# Altium PCB CABLE_JIG_TEST_PCB.PcbDoc (part 1 of 4) (continued)
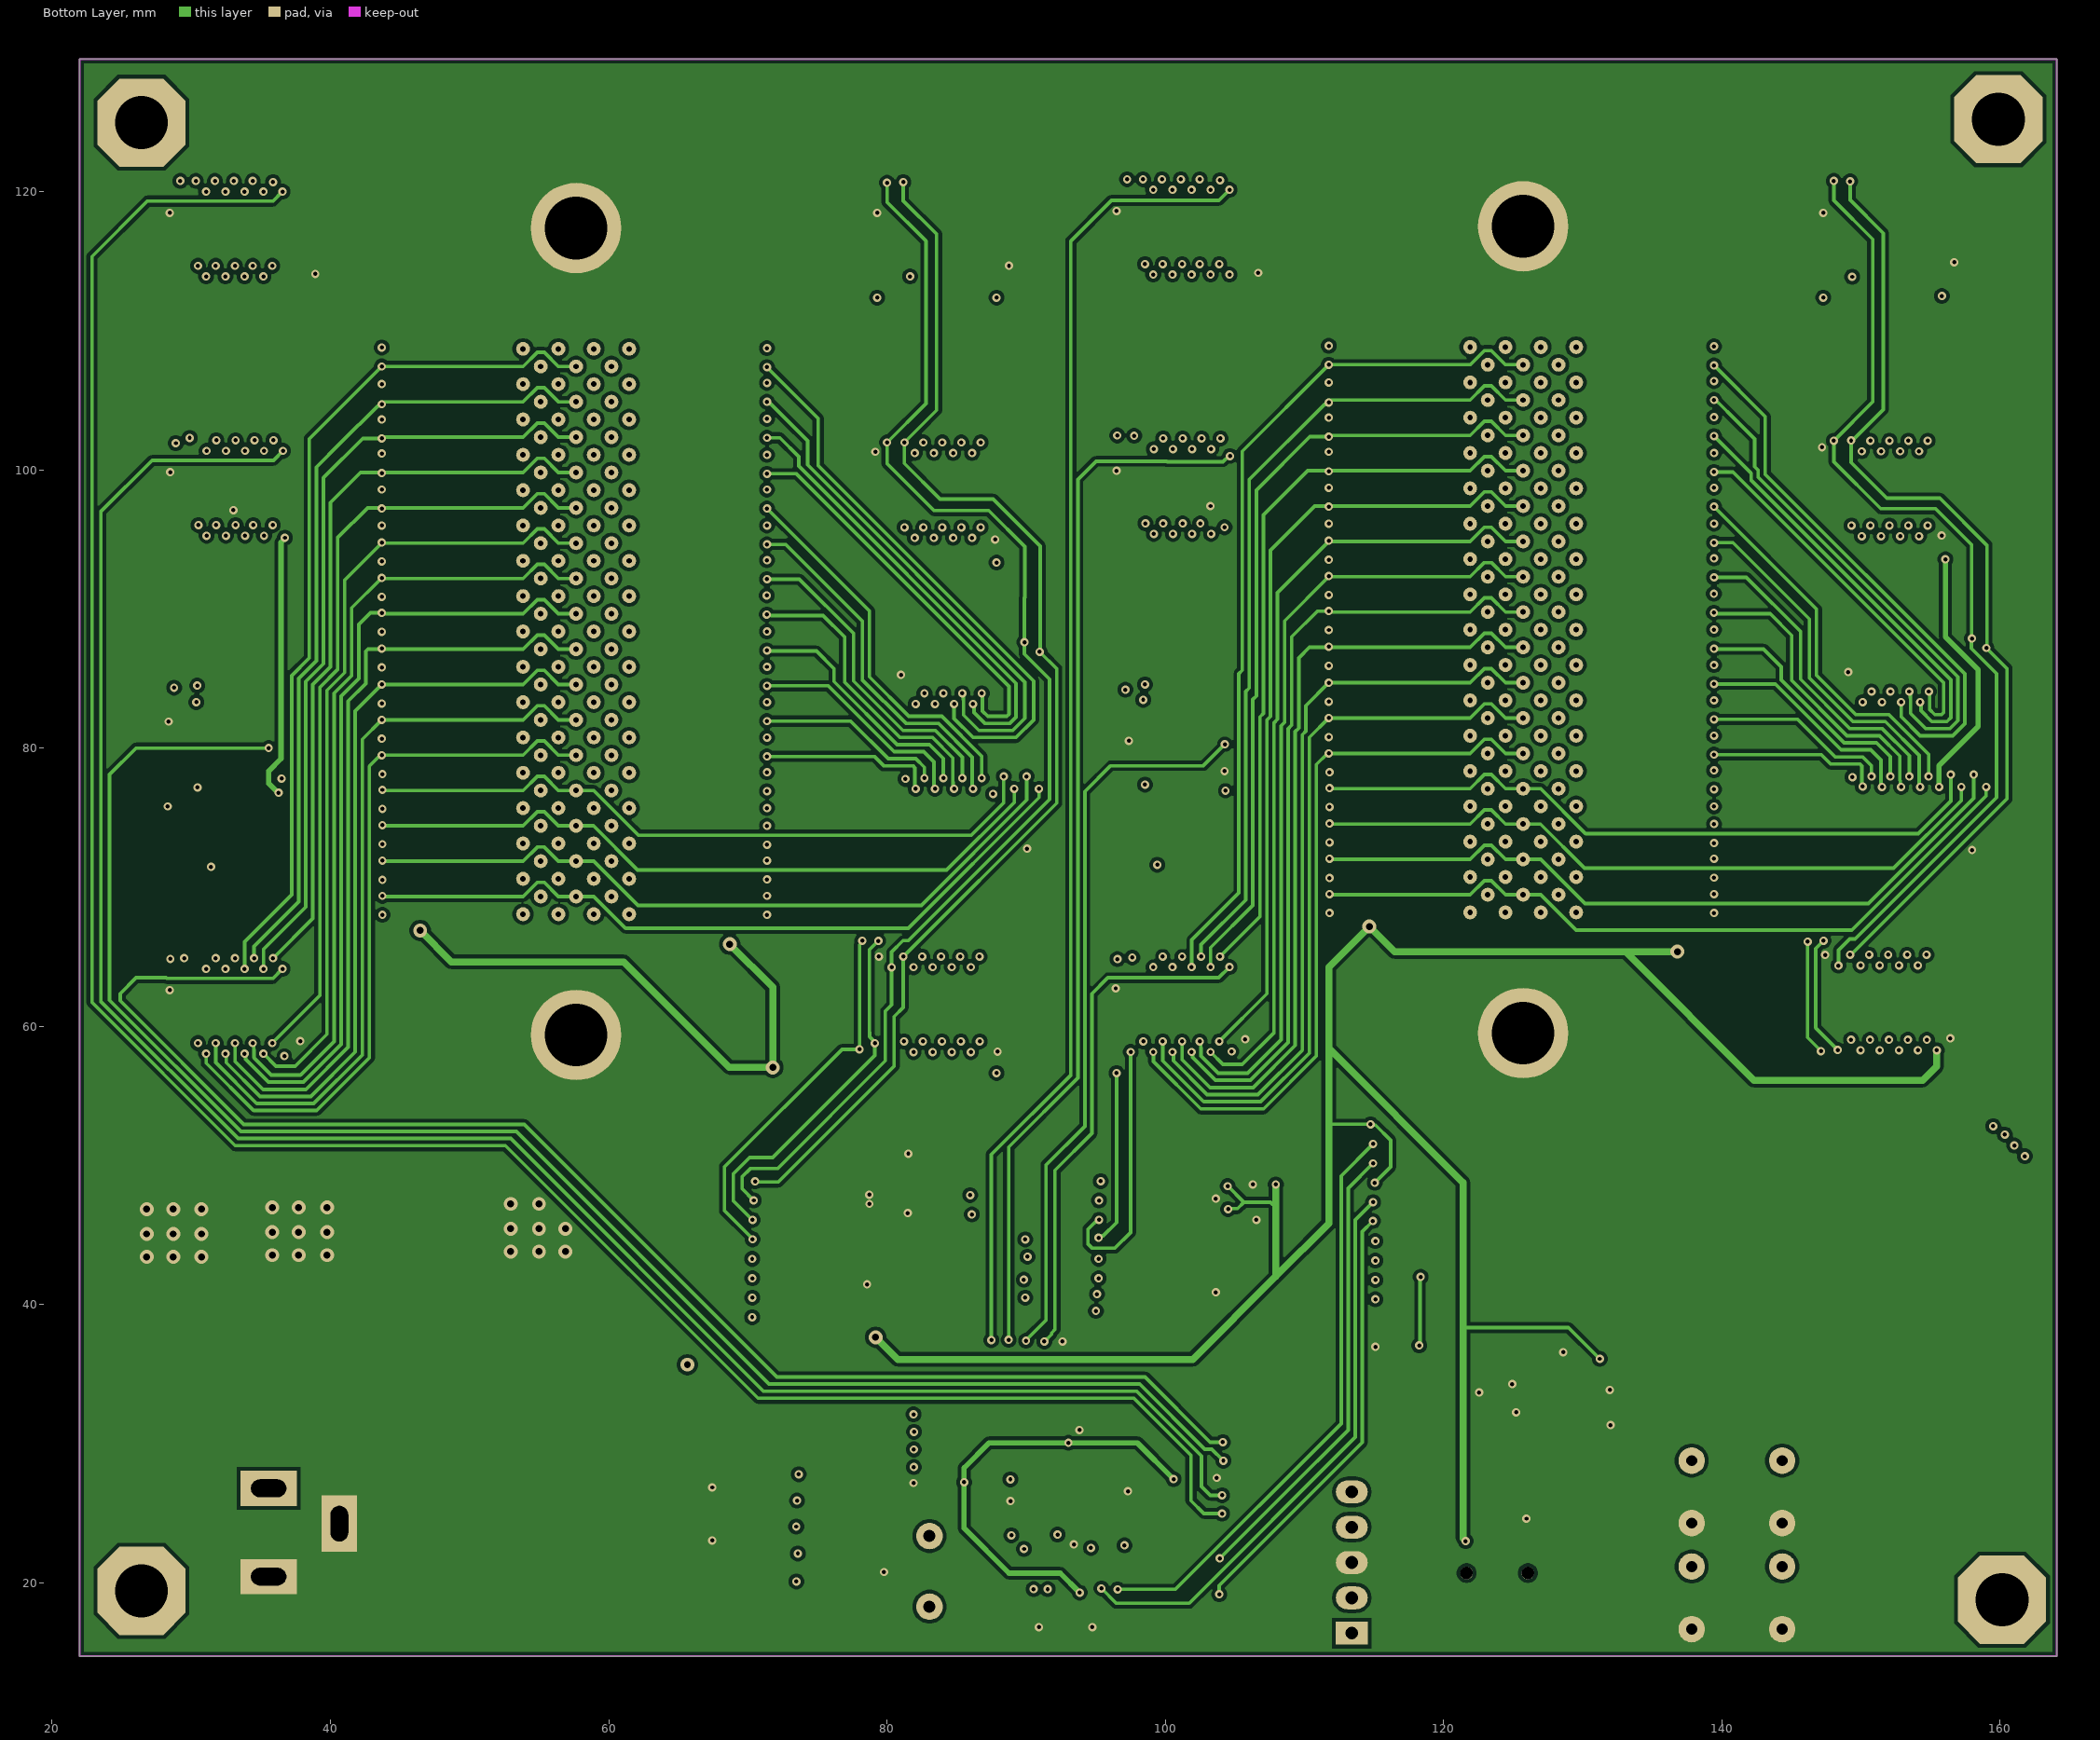
[diagram p3: Bottom Layer]
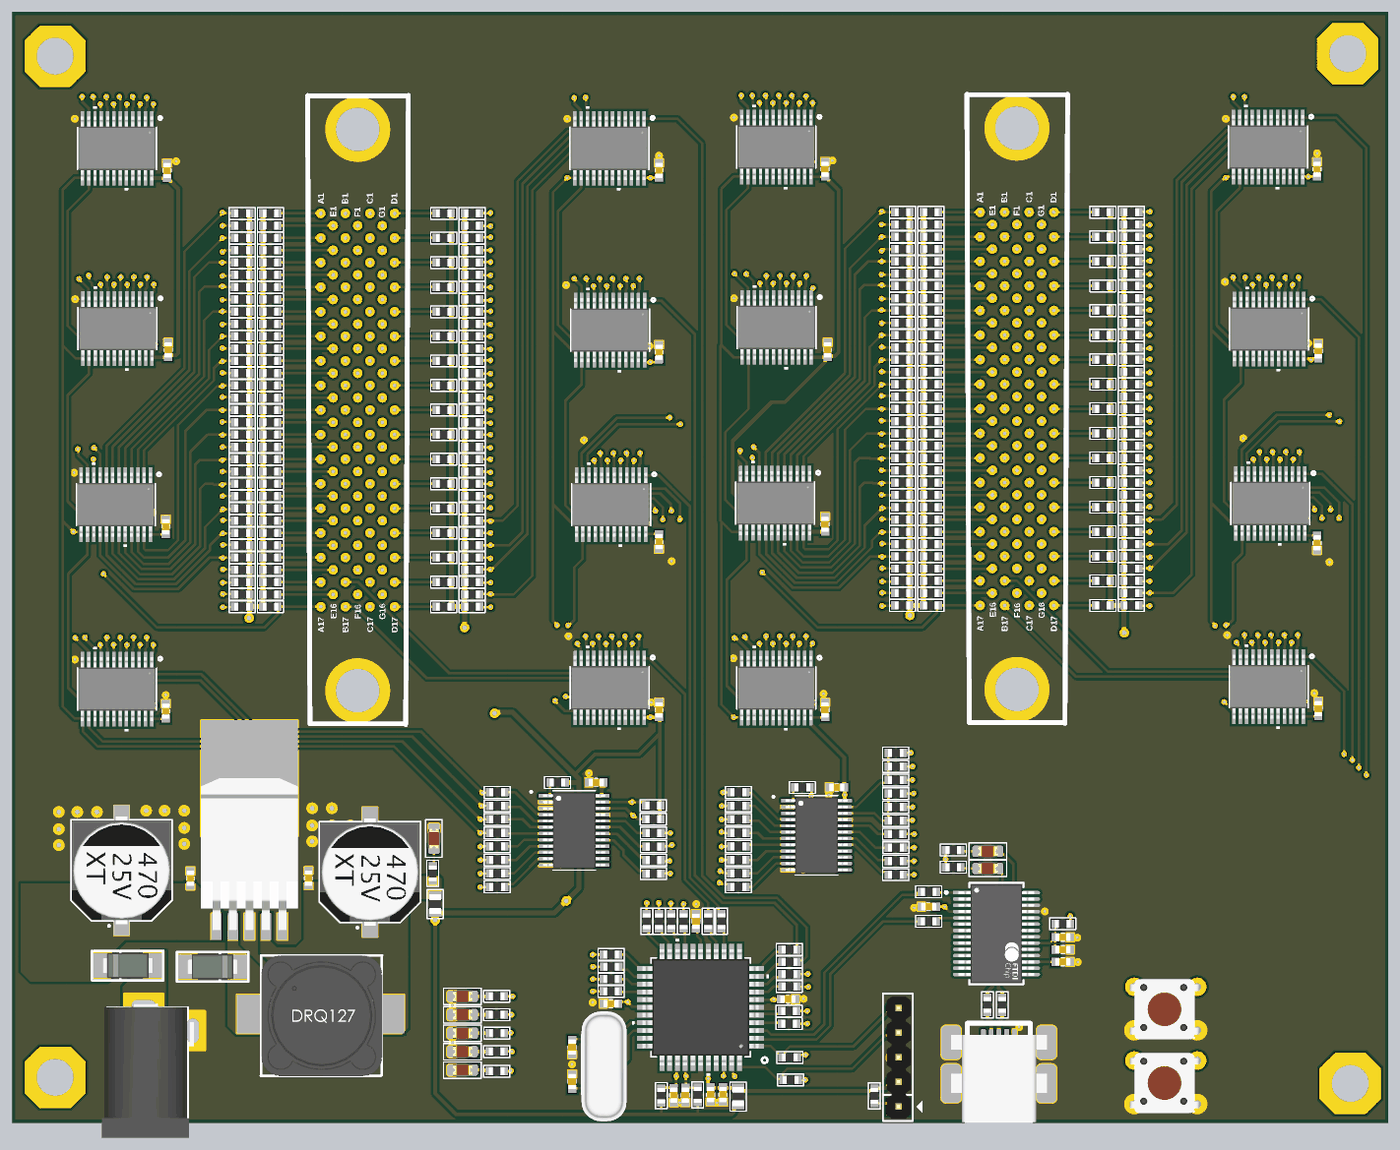
[diagram p7: 3D render of the assembled board from above, using the file's embedded part models]

## Layer stack, top to bottom
Top Solder: solder mask 0.0102, Solder Resist, Dk 3.5
Top Layer 1: signal copper 0.035
Dielectric 2: prepreg 0.0711, PP-006, Dk 4.1
Top Layer: signal copper 0.035
Dielectric 1: dielectric 0.32, FR-4, Dk 4.8
Bottom Layer: signal copper 0.035
Dielectric 3: prepreg 0.0711, PP-006, Dk 4.1
Bottom Layer 1: signal copper 0.035
Bottom Solder: solder mask 0.0102, Solder Resist, Dk 3.5

## Board outline
21.971,14.732 21.971,129.54 164.084,129.54 164.084,127.254 164.084,14.732

## Design rules (kind name [scope] priority, off if disabled: settings)
Clearance [All] p1: gap=0.254 ignorepadtopadclearanceinfootprint=FALSE except(0: Arc-Hole Track-Hole SMDPad-Hole THPad-Hole Via-Hole Fill-Hole Poly-Hole Region-Hole Text-Hole)
DiffPairsRouting [All] p1: maxlimit=0.254 minlimit=0.254 mostfreqgap=0.254 toplayer_minwidth=0.381 toplayer_maxwidth=0.381 toplayer_prefwidth=0.381 midlayer1_minwidth=0.381 midlayer1_maxwidth=0.381 midlayer1_prefwidth=0.381 midlayer2_minwidth=0.381 midlayer2_maxwidth=0.381 midlayer2_prefwidth=0.381 bottomlayer_minwidth=0.381 bottomlayer_maxwidth=0.381 bottomlayer_prefwidth=0.381 maxuncoupledlength=12.7
PolygonConnect [All] p1: connectstyle=Direct reliefconductorwidth=0.254 reliefentries=4 polygonreliefangle="90 Angle" airgapwidth=0.254
RoutingVias [All] p1: holewidth=0.711 width=1.27 viastyle="Through Hole" minholewidth=0.711 minwidth=1.27 maxholewidth=0.711 maxwidth=1.27
SolderMaskExpansion [All] p1: expansion=0.102 istentingtop=FALSE
Width [All] p1: maxlimit=1.016 minlimit=0.203 preferedwidth=0.254
29 further rules are at their usual default settings.

## Classes and differential pairs
differential pair CNN_D: +CNN_D_P -CNN_D_N
differential pair USBD: +USBD_P -USBD_N

## Components (designator, comment, footprint, x,y, rotation, side; value= is the part's Value field where it differs from the comment)
C1 "cap smd" Cap_SMD_10x10.5mm 33.274,40.822 r90 top
C2 "100nF" C0603N 40.386,40.005 r90 top
C3 "1uF" C0603N 37.973,113.144 r90 top
C4 "1uF" C0603N 37.846,76.327 r90 top
C5 "1uF" C0603N 105.918,113.284 r90 top
C6 "1uF" C0603N 105.918,76.594 r90 top
C7 "100nF" C0603N 52.578,40.018 r90 top
C8 "cap smd" Cap_SMD_10x10.5mm 58.928,40.64 r90 top
C9 "1uF" C0603N 88.773,57.404 r90 top
C10 "1uF" C0603N 88.773,94.374 r90 top
C11 "1uF" C0603N 156.845,57.531 r90 top
C12 "1uF" C0603N 156.845,94.501 r90 top
C13 "1uF" C0603N 95.377,17.653 r270 top
C14 "100nF" C0603N 92.583,35.56 r90 top
C15 "100nF" C0603N 83.82,27.051 r180 top
C16 "100nF" C0603N 102.086,27.519 r0 top
C17 "100nF" C0603N 94.107,17.653 r270 top
C18 "22pF" C0603N 79.793,22.566 r270 top
C19 "1uF" C0603N 38.1,94.615 r90 top
C20 "1uF" C0603N 37.846,57.277 r90 top
C21 "1uF" C0603N 106.172,94.615 r90 top
C22 "1uF" C0603N 105.918,57.404 r90 top
C23 "22pF" C0603N 79.793,18.997 r90 top
C24 "1uF" C0603N 88.773,74.803 r270 top
C25 "1uF" C0603N 88.773,113.17 r90 top
C26 "1uF" C0603N 156.718,74.676 r270 top
C27 "1uF" C0603N 156.718,113.284 r90 top
C28 "10nF" C0603N 90.293,17.591 r270 top
C29 "10nF" C0603N 91.488,17.6 r270 top
C30 "1uF" C0603N 82.296,49.911 r180 top
C31 "1uF" C0603N 107.133,49.397 r180 top
C32 "1uF" C0603N 130.467,32.639 r0 top
C33 "100nF" C0603N 116.624,37.084 r180 top
C34 "100nF" C0603N 130.467,33.909 r0 top
C35 "100nF" C0603N 130.467,31.369 r0 top
D1 "1N5822" "DO214 SMA" 34.671,30.988 r0 top
D2 "1N5822" "DO214 SMA" 41.91,30.861 r180 top
"ICSP 1" "5 Pos, 2.54" JP5 113.411,21.463 r90 top
J1 "CNN_CABLE_116PINS" CNN_CABLE_116PINS 56.388,88.393 r270 bottom
J2 "CNN_CABLE_116PINS" CNN_CABLE_116PINS 124.46,88.52 r270 bottom
J3 "67503-1020" MOLX-67503-1020_V 122.266,23.026 r90 top
JDC1 "DC10A" DC-IN 38.1,23.622 r90 top
L1 "100uH-1.7A" IND_SMD_12.5x12.5 53.721,26.797 r0 top
POWER1 "RED, 0805" "LED 0805" 65.532,44.103 r270 top
POWER2 "RED, 0805" "LED 0805" 68.487,27.813 r0 top
POWER3 "RED, 0805" "LED 0805" 68.487,25.908 r0 top
POWER4 "RED, 0805" "LED 0805" 68.487,24.003 r0 top
POWER5 "RED, 0805" "LED 0805" 68.487,22.098 r0 top
POWER6 "RED, 0805" "LED 0805" 68.487,20.193 r0 top
POWER7 "RED, 0805" "LED 0805" 122.72,42.799 r180 top
POWER8 "RED, 0805" "LED 0805" 122.72,41.021 r180 top
R1 "100K" R0603N 48.641,68.072 r180 top
R2 "100K" R0603N 48.641,73.152 r180 top
R3 "100K" R0603N 48.641,78.232 r180 top
R4 "100K" R0603N 48.641,83.312 r180 top
R5 "100K" R0603N 48.641,88.392 r180 top
R6 "100K" R0603N 48.641,93.472 r180 top
R7 "100K" R0603N 48.641,98.552 r180 top
R8 "100K" R0603N 48.641,103.632 r180 top
R9 "100K" R0603N 48.641,108.712 r180 top
R10 "100K" R0603N 116.84,108.839 r180 top
R11 "100K" R0603N 116.84,103.759 r180 top
R12 "100K" R0603N 116.84,98.679 r180 top
R13 "100K" R0603N 116.84,93.599 r180 top
R14 "100K" R0603N 116.84,88.519 r180 top
R15 "100K" R0603N 116.84,83.439 r180 top
R16 "100K" R0603N 116.84,78.359 r180 top
R17 "100K" R0603N 116.84,73.279 r180 top
R18 "100K" R0603N 116.84,68.199 r180 top
R19 "100K" R0603N 48.641,70.612 r180 top
R20 "100K" R0603N 48.641,75.692 r180 top
R21 "100K" R0603N 48.641,80.772 r180 top
R22 "100K" R0603N 48.641,85.852 r180 top
R23 "100K" R0603N 48.641,90.932 r180 top
R24 "100K" R0603N 48.641,96.012 r180 top
R25 "100K" R0603N 48.641,101.092 r180 top
R26 "100K" R0603N 48.641,106.172 r180 top
R27 "100K" R0603N 116.84,106.299 r180 top
R28 "100K" R0603N 116.84,101.219 r180 top
R29 "100K" R0603N 116.84,96.139 r180 top
R30 "100K" R0603N 116.84,91.059 r180 top
R31 "100K" R0603N 116.84,85.979 r180 top
R32 "100K" R0603N 116.84,80.899 r180 top
R33 "100K" R0603N 116.84,75.819 r180 top
R34 "100K" R0603N 116.84,70.739 r180 top
R35 "0" R0805N 65.659,37.338 r90 top
R36 "1.2K" R0603N 65.405,40.513 r270 top
R37 "100R" R0603N 102.2,24.979 r0 top
R38 "100R" R0603N 102.235,28.829 r0 top
R39 "100R" R0603N 87.503,35.56 r90 top
R40 "100R" R0603N 90.043,35.56 r90 top
R41 "100K" R0603N 45.72,68.072 r0 top
R42 "100K" R0603N 45.72,73.152 r0 top
R43 "100K" R0603N 45.72,78.232 r0 top
R44 "100K" R0603N 45.72,83.312 r0 top
R45 "100K" R0603N 45.72,88.392 r0 top
R46 "100K" R0603N 45.72,93.472 r0 top
R47 "100K" R0603N 45.72,98.552 r0 top
R48 "100K" R0603N 45.72,103.632 r0 top
R49 "100K" R0603N 45.72,108.712 r0 top
R50 "100K" R0603N 113.906,108.839 r0 top
R51 "100K" R0603N 113.906,103.759 r0 top
R52 "100K" R0603N 113.906,98.679 r0 top
R53 "100K" R0603N 113.906,93.599 r0 top
R54 "100K" R0603N 113.906,88.519 r0 top
R55 "100K" R0603N 113.906,83.439 r0 top
R56 "100K" R0603N 113.906,78.359 r0 top
R57 "100K" R0603N 113.906,73.279 r0 top
R58 "100K" R0603N 113.906,68.199 r0 top
R59 "100K" R0603N 45.72,70.612 r0 top
R60 "100K" R0603N 45.72,75.692 r0 top
R61 "100K" R0603N 45.72,80.772 r0 top
R62 "100K" R0603N 45.72,85.852 r0 top
R63 "100K" R0603N 45.72,90.932 r0 top
R64 "100K" R0603N 45.72,96.012 r0 top
R65 "100K" R0603N 45.72,101.092 r0 top
R66 "100K" R0603N 45.72,106.172 r0 top
R67 "100K" R0603N 113.906,106.299 r0 top
R68 "100K" R0603N 113.906,101.219 r0 top
R69 "100K" R0603N 113.906,96.139 r0 top
R70 "100K" R0603N 113.906,91.059 r0 top
R71 "100K" R0603N 113.906,85.979 r0 top
R72 "100K" R0603N 113.906,80.899 r0 top
R73 "100K" R0603N 113.906,75.819 r0 top
R74 "100K" R0603N 113.906,70.739 r0 top
R75 "0" R0805N 96.934,17.452 r270 top
R76 "1.2K" R0603N 72.009,27.813 r0 top
R77 "1.2K" R0603N 72.009,25.908 r0 top
R78 "1.2K" R0603N 72.022,24.003 r0 top
R79 "1.2K" R0603N 72.009,22.098 r0 top
R80 "1.2K" R0603N 72.009,20.066 r0 top
R81 "100R" R0603N 93.853,35.56 r90 top
R82 "100R" R0603N 102.235,32.639 r0 top
R83 "100R" R0603N 83.82,32.131 r180 top
R84 "100R" R0603N 83.82,29.591 r180 top
R85 "100K" R0603N 69.469,68.072 r180 top
R86 "100K" R0603N 69.469,73.152 r180 top
R87 "100K" R0603N 69.469,78.232 r180 top
R88 "100K" R0603N 69.469,83.312 r180 top
R89 "100K" R0603N 69.469,88.392 r180 top
R90 "100K" R0603N 69.469,93.472 r180 top
R91 "100K" R0603N 69.469,98.552 r180 top
R92 "100K" R0603N 69.469,103.632 r180 top
R93 "100K" R0603N 69.469,108.712 r180 top
R94 "100K" R0603N 137.541,108.839 r180 top
R95 "100K" R0603N 137.541,103.759 r180 top
R96 "100K" R0603N 137.541,98.679 r180 top
R97 "100K" R0603N 137.541,93.599 r180 top
R98 "100K" R0603N 137.541,88.519 r180 top
R99 "100K" R0603N 137.541,83.439 r180 top
R100 "100K" R0603N 137.541,78.359 r180 top
R101 "100K" R0603N 137.541,73.279 r180 top
R102 "100K" R0603N 137.541,68.199 r180 top
R103 "100K" R0603N 69.469,70.612 r180 top
R104 "100K" R0603N 69.469,75.692 r180 top
R105 "100K" R0603N 69.469,80.772 r180 top
R106 "100K" R0603N 69.469,85.852 r180 top
R107 "100K" R0603N 69.469,90.932 r180 top
R108 "100K" R0603N 69.469,96.012 r180 top
R109 "100K" R0603N 69.469,101.092 r180 top
R110 "100K" R0603N 69.469,106.172 r180 top
R111 "100K" R0603N 137.541,106.299 r180 top
R112 "100K" R0603N 137.541,101.219 r180 top
R113 "100K" R0603N 137.541,96.139 r180 top
R114 "100K" R0603N 137.541,91.059 r180 top
R115 "100K" R0603N 137.541,85.979 r180 top
R116 "100K" R0603N 137.541,80.899 r180 top
R117 "100K" R0603N 137.541,75.819 r180 top
R118 "100K" R0603N 137.541,70.739 r180 top
R119 "100R" R0603N 102.204,26.293 r0 top
R120 "100R" R0603N 102.235,30.099 r0 top
R121 "100R" R0603N 88.773,35.56 r90 top
R122 "100R" R0603N 91.313,35.56 r90 top
R123 "100K" R0603N 66.535,68.072 r0 top
R124 "100K" R0603N 66.535,73.152 r0 top
R125 "100K" R0603N 66.535,78.232 r0 top
R126 "100K" R0603N 66.535,83.312 r0 top
R127 "100K" R0603N 66.535,88.392 r0 top
R128 "100K" R0603N 66.535,93.472 r0 top
R129 "100K" R0603N 66.535,98.552 r0 top
R130 "100K" R0603N 66.535,103.632 r0 top
R131 "100K" R0603N 66.535,108.712 r0 top
R132 "100K" R0603N 134.607,108.839 r0 top
R133 "100K" R0603N 134.607,103.759 r0 top
R134 "100K" R0603N 134.607,98.679 r0 top
R135 "100K" R0603N 134.607,93.599 r0 top
R136 "100K" R0603N 134.607,88.519 r0 top
R137 "100K" R0603N 134.607,83.439 r0 top
R138 "100K" R0603N 134.607,78.359 r0 top
R139 "100K" R0603N 134.607,73.279 r0 top
R140 "100K" R0603N 134.607,68.199 r0 top
R141 "100K" R0603N 66.535,70.612 r0 top
R142 "100K" R0603N 66.535,75.692 r0 top
R143 "100K" R0603N 66.535,80.772 r0 top
R144 "100K" R0603N 66.535,85.852 r0 top
R145 "100K" R0603N 66.535,90.932 r0 top
R146 "100K" R0603N 66.535,96.012 r0 top
R147 "100K" R0603N 66.535,101.092 r0 top
R148 "100K" R0603N 66.535,106.172 r0 top
R149 "100K" R0603N 134.607,106.299 r0 top
R150 "100K" R0603N 134.607,101.219 r0 top
R151 "100K" R0603N 134.607,96.139 r0 top
R152 "100K" R0603N 134.607,91.059 r0 top
R153 "100K" R0603N 134.607,85.979 r0 top
R154 "100K" R0603N 134.607,80.899 r0 top
R155 "100K" R0603N 134.607,75.819 r0 top
R156 "100K" R0603N 134.607,70.739 r0 top
R157 "1.2K" R0603N 110.998,17.526 r270 top
R158 "10K" R0603N 89.005,17.545 r270 top
R159 "100R" R0603N 95.222,35.572 r90 top
R160 "100R" R0603N 102.235,31.369 r0 top
R161 "100R" R0603N 83.833,30.861 r180 top
R162 "100R" R0603N 83.82,28.321 r180 top
R163 "100K" R0603N 48.641,71.882 r180 top
R164 "100K" R0603N 48.641,76.962 r180 top
R165 "100K" R0603N 48.641,82.042 r180 top
R166 "100K" R0603N 48.641,87.122 r180 top
R167 "100K" R0603N 48.641,92.202 r180 top
R168 "100K" R0603N 48.641,97.282 r180 top
R169 "100K" R0603N 48.641,102.362 r180 top
R170 "100K" R0603N 48.641,107.442 r180 top
R171 "100K" R0603N 116.84,107.569 r180 top
R172 "100K" R0603N 116.84,102.489 r180 top
R173 "100K" R0603N 116.84,97.409 r180 top
R174 "100K" R0603N 116.84,92.329 r180 top
R175 "100K" R0603N 116.84,87.249 r180 top
R176 "100K" R0603N 116.84,82.169 r180 top
R177 "100K" R0603N 116.84,77.089 r180 top
R178 "100K" R0603N 116.84,72.009 r180 top
R179 "10K" R0603N 92.761,17.631 r270 top
R180 "100K" R0603N 48.641,69.342 r180 top
R181 "100K" R0603N 48.641,74.422 r180 top
R182 "100K" R0603N 48.641,79.502 r180 top
R183 "100K" R0603N 48.641,84.582 r180 top
R184 "100K" R0603N 48.641,89.662 r180 top
R185 "100K" R0603N 48.641,94.742 r180 top
R186 "100K" R0603N 48.641,99.822 r180 top
R187 "100K" R0603N 48.641,104.902 r180 top
R188 "100K" R0603N 116.84,105.029 r180 top
R189 "100K" R0603N 116.84,99.949 r180 top
R190 "100K" R0603N 116.84,94.869 r180 top
R191 "100K" R0603N 116.84,89.789 r180 top
R192 "100K" R0603N 116.84,84.709 r180 top
R193 "100K" R0603N 116.84,79.629 r180 top
R194 "100K" R0603N 116.84,74.549 r180 top
R195 "100K" R0603N 116.84,69.469 r180 top
R196 "100K" R0603N 45.72,71.882 r0 top
R197 "100K" R0603N 45.72,76.962 r0 top
R198 "100K" R0603N 45.72,82.042 r0 top
R199 "100K" R0603N 45.72,87.122 r0 top
R200 "100K" R0603N 45.72,92.202 r0 top
R201 "100K" R0603N 45.72,97.282 r0 top
R202 "100K" R0603N 45.72,102.362 r0 top
R203 "100K" R0603N 45.72,107.442 r0 top
R204 "100K" R0603N 113.906,107.569 r0 top
R205 "100K" R0603N 113.906,102.489 r0 top
R206 "100K" R0603N 113.906,97.409 r0 top
R207 "100K" R0603N 113.906,92.329 r0 top
R208 "100K" R0603N 113.906,87.249 r0 top
R209 "100K" R0603N 113.906,82.169 r0 top
R210 "100K" R0603N 113.906,77.089 r0 top
R211 "100K" R0603N 113.906,72.009 r0 top
R212 "1.2K" R0603N 88.174,47.518 r180 top
R213 "1.2K" R0603N 88.183,46.108 r180 top
R214 "1.2K" R0603N 113.216,52.953 r180 top
R215 "1.2K" R0603N 113.216,48.762 r180 top
R216 "1.2K" R0603N 78.291,49.905 r0 top
R217 "1.2K" R0603N 103.564,49.397 r0 top
R218 "100R" R0603N 102.362,19.177 r0 top
R219 "0" R0603N 113.216,45.968 r0 top
R220 "100K" R0603N 45.72,69.342 r0 top
R221 "100K" R0603N 45.72,74.422 r0 top
R222 "100K" R0603N 45.72,79.502 r0 top
R223 "100K" R0603N 45.72,84.582 r0 top
R224 "100K" R0603N 45.72,89.662 r0 top
R225 "100K" R0603N 45.72,94.742 r0 top
R226 "100K" R0603N 45.72,99.822 r0 top
R227 "100K" R0603N 45.72,104.902 r0 top
R228 "100K" R0603N 113.906,105.029 r0 top
R229 "100K" R0603N 113.906,99.949 r0 top
R230 "100K" R0603N 113.906,94.869 r0 top
R231 "100K" R0603N 113.906,89.789 r0 top
R232 "100K" R0603N 113.906,84.709 r0 top
R233 "100K" R0603N 113.906,79.629 r0 top
R234 "100K" R0603N 113.906,74.549 r0 top
R235 "100K" R0603N 113.906,69.469 r0 top
R236 "100R" R0603N 72.068,48.889 r0 top
R237 "100R" R0603N 96.973,48.889 r0 top
R238 "100R" R0603N 72.068,47.492 r0 top
R239 "0" R0603N 113.216,47.365 r0 top
R240 "100R" R0603N 96.973,47.492 r0 top
R241 "100R" R0603N 72.068,46.095 r0 top
R242 "100R" R0603N 96.973,46.095 r0 top
R243 "100R" R0603N 72.068,44.698 r0 top
R244 "100R" R0603N 96.973,44.698 r0 top
R245 "0" R0603N 130.454,35.306 r0 top
R246 "100R" R0603N 72.055,43.301 r0 top
R247 "100R" R0603N 88.201,40.487 r0 top
R248 "100R" R0603N 96.973,43.301 r0 top
R249 "100R" R0603N 113.216,40.38 r0 top
R250 "100R" R0603N 72.068,41.904 r0 top
R251 "100R" R0603N 88.201,41.884 r0 top
R252 "100R" R0603N 96.96,41.904 r0 top
R253 "100R" R0603N 113.216,41.777 r0 top
R254 "100R" R0603N 72.068,40.507 r0 top
R255 "100R" R0603N 88.201,43.281 r0 top
R256 "100R" R0603N 96.96,40.507 r0 top
R257 "100R" R0603N 113.229,43.174 r0 top
R258 "100R" R0603N 72.055,39.11 r0 top
R259 "100R" R0603N 88.201,44.678 r0 top
R260 "100R" R0603N 96.96,39.11 r0 top
R261 "100R" R0603N 113.203,44.571 r0 top
R262 "100R" R0603N 102.268,21.49 r0 top
R263 "0" R0603N 113.216,50.159 r0 top
R264 "0" R0603N 116.624,38.608 r180 top
R265 "0" R0603N 113.216,51.556 r0 top
R266 "0" R0603N 116.611,35.56 r180 top
R267 "1.2K" R0603N 119.151,42.926 r180 top
R268 "1.2K" R0603N 119.151,41.148 r180 top
R269 "100K" R0603N 69.469,71.882 r180 top
R270 "100K" R0603N 69.469,76.962 r180 top
R271 "100K" R0603N 69.469,82.042 r180 top
R272 "100K" R0603N 69.469,87.122 r180 top
R273 "100K" R0603N 69.469,92.202 r180 top
R274 "100K" R0603N 69.469,97.282 r180 top
R275 "100K" R0603N 69.469,102.362 r180 top
R276 "100K" R0603N 69.469,107.442 r180 top
R277 "100K" R0603N 137.541,107.569 r180 top
R278 "100K" R0603N 137.541,102.489 r180 top
R279 "100K" R0603N 137.541,97.409 r180 top
R280 "100K" R0603N 137.541,92.329 r180 top
R281 "100K" R0603N 137.541,87.249 r180 top
R282 "100K" R0603N 137.541,82.169 r180 top
R283 "100K" R0603N 137.541,77.089 r180 top
R284 "100K" R0603N 137.541,72.009 r180 top
R285 "100K" R0603N 69.469,69.342 r180 top
R286 "100K" R0603N 69.469,74.422 r180 top
R287 "100K" R0603N 69.469,79.502 r180 top
R288 "100K" R0603N 69.469,84.582 r180 top
R289 "100K" R0603N 69.469,89.662 r180 top
R290 "100K" R0603N 69.469,94.742 r180 top
R291 "100K" R0603N 69.469,99.822 r180 top
R292 "100K" R0603N 69.469,104.902 r180 top
R293 "100K" R0603N 137.541,105.029 r180 top
R294 "100K" R0603N 137.541,99.949 r180 top
R295 "100K" R0603N 137.541,94.869 r180 top
R296 "100K" R0603N 137.541,89.789 r180 top
R297 "100K" R0603N 137.541,84.709 r180 top
R298 "100K" R0603N 137.541,79.629 r180 top
R299 "100K" R0603N 137.541,74.549 r180 top
R300 "100K" R0603N 137.541,69.469 r180 top
R301 "22R" R0603N 122.682,26.924 r270 top
R302 "22R" R0603N 124.206,26.924 r270 top
SW1 "SW" SW4 141.097,26.543 r0 top value="Button chip 4 pin"
SW2 "SW" SW4 141.097,18.923 r0 top value="Button chip 4 pin"
U1 "LM2576S" TO263-5 46.482,35.052 r0 top
U2 "74HC4067PW,118" TSSOP24_SOT355-1_NEX-M 32.807,115.441 r270 top
U3 "74HC4067PW,118" TSSOP24_SOT355-1_NEX-M 32.68,78.611 r270 top
U4 "74HC4067PW,118" TSSOP24_SOT355-1_NEX-M 100.879,115.568 r270 top
U5 "74HC4067PW,118" TSSOP24_SOT355-1_NEX-M 100.748,78.782 r270 top
U6 "74HC4067PW,118" TSSOP24_SOT355-1_NEX-M 83.667,59.688 r270 top
U7 "74HC4067PW,118" TSSOP24_SOT355-1_NEX-M 83.719,96.649 r270 top
U8 "74HC4067PW,118" TSSOP24_SOT355-1_NEX-M 151.723,59.803 r270 top
U9 "74HC4067PW,118" TSSOP24_SOT355-1_NEX-M 151.765,96.774 r270 top
U10 "DSPIC30F4011-30I/PT" TQFP44_MC_MCH-M 93.073,26.669 r180 top
U11 "74HC4067PW,118" TSSOP24_SOT355-1_NEX-M 32.842,96.804 r270 top
U12 "74HC4067PW,118" TSSOP24_SOT355-1_NEX-M 32.807,59.565 r270 top
U13 "74HC4067PW,118" TSSOP24_SOT355-1_NEX-M 100.914,96.931 r270 top
U14 "74HC4067PW,118" TSSOP24_SOT355-1_NEX-M 100.885,59.671 r270 top
U15 "74HC4067PW,118" TSSOP24_SOT355-1_NEX-M 83.82,78.613 r270 top
U16 "74HC4067PW,118" TSSOP24_SOT355-1_NEX-M 83.652,115.445 r270 top
U17 "74HC4067PW,118" TSSOP24_SOT355-1_NEX-M 151.892,78.74 r270 top
U18 "74HC4067PW,118" TSSOP24_SOT355-1_NEX-M 151.657,115.572 r270 top
U19 "PCA9555PW" SOP65P640X120-24N 80.01,44.958 r0 top
U20 "PCA9555PW" SOP65P640X120-24N 105.029,44.45 r0 top
U21 "FT232RL-REEL" FP-SSOP-28-MFG 123.609,34.29 r0 top
VIT1 "1" VIT 26.416,19.431 r0 top
VIT2 "1" VIT 26.416,124.968 r0 top
VIT3 "1" VIT 160.147,18.796 r0 top
VIT4 "1" VIT 159.893,125.222 r0 top
X1 "7.3728MHZ, 20PF" XT2 83.058,20.828 r90 top